# Allegro board LAY-95869_A.brd (continued)
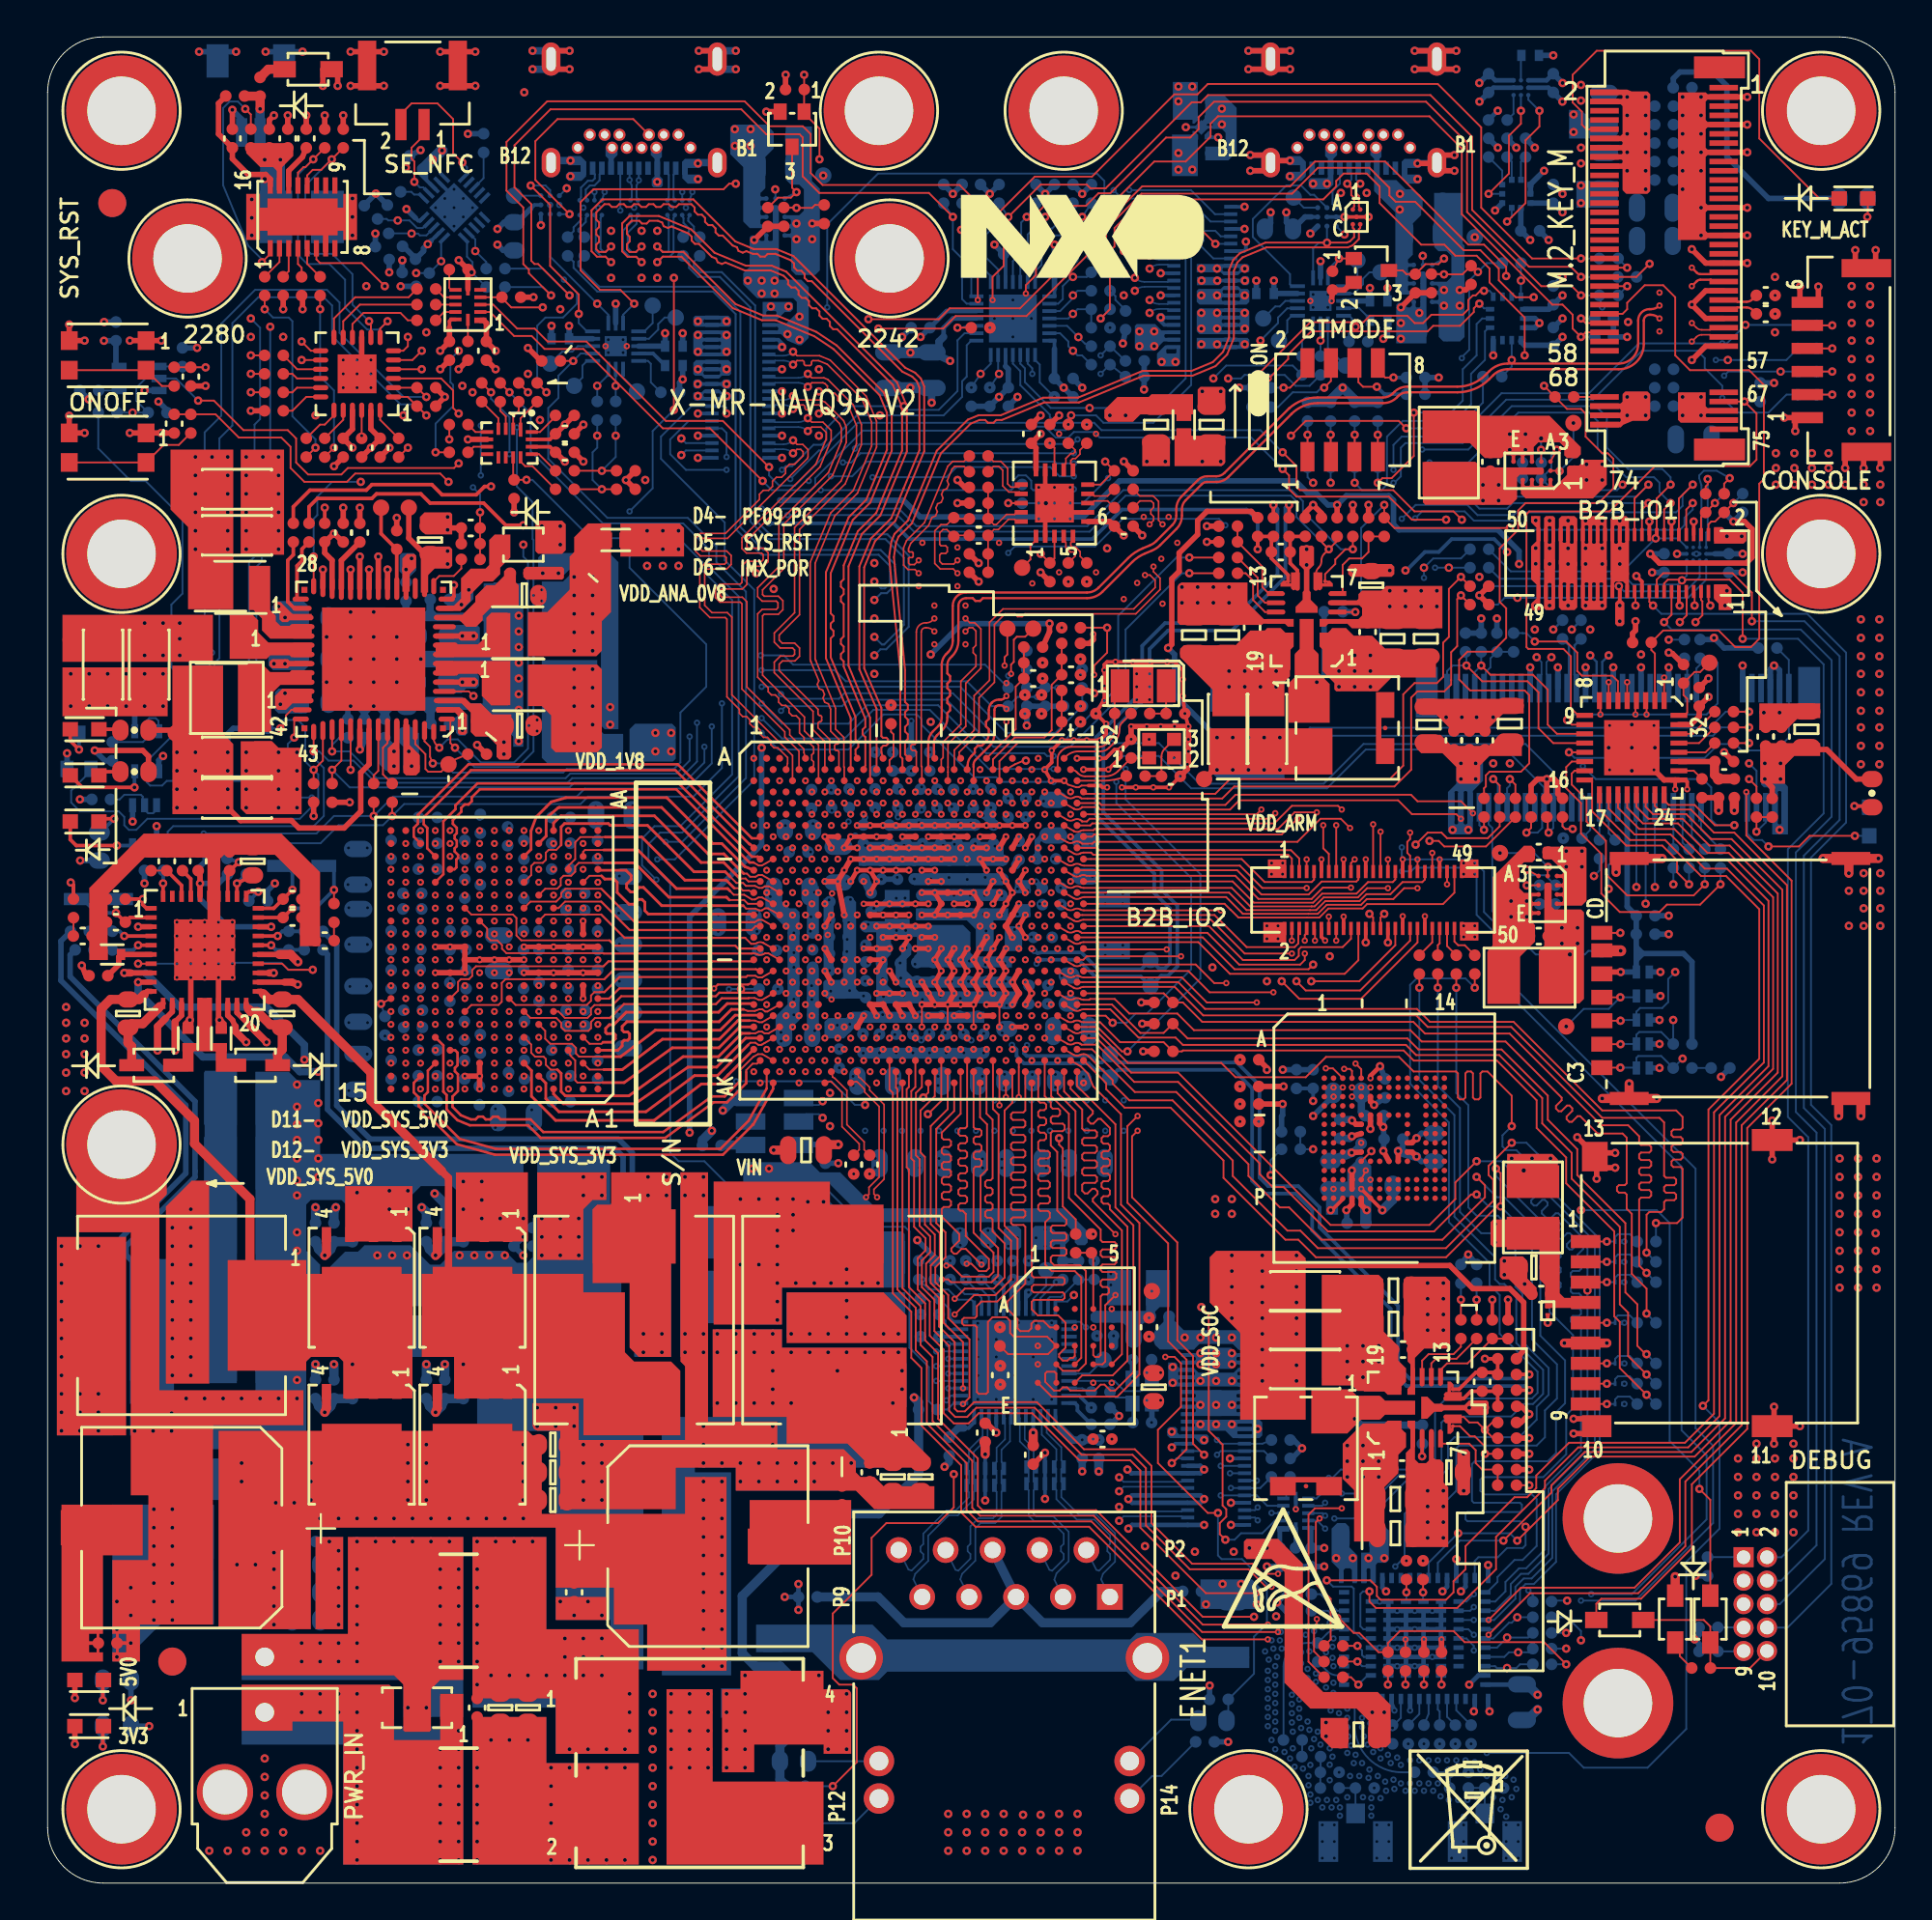
[diagram p0: board, top side]
## Footprints (pads in the part's own frame, mm; a bottom-side part is the same pattern mirrored in y, then rotated)
0603_CC
  rect 0.711x0.838 smd: 1(-0.65,0) 2(0.65,0)
0805_CC
  rect 0.94x1.346 smd: 1(-0.78,0) 2(0.78,0)
1206_CC
  rect 0.94x1.702 smd: 1(-1.4,0) 2(1.4,0)
BGA315_0P7_12P5X15P1MM
  round 0.381 smd: A1(-5.6,7) A2(-4.8,7) A3(-4,7) A4(-3.2,7) A5(-2.4,7) A6(-1.6,7) A7(-0.8,7) A8(0,7) A9(0.8,7) A10(1.6,7) A11(2.4,7) A12(3.2,7) A13(4,7) A14(4.8,7) A15(5.6,7) AA1(-5.6,-7) AA2(-4.8,-7) AA3(-4,-7) AA4(-3.2,-7) AA5(-2.4,-7) AA6(-1.6,-7) AA7(-0.8,-7) AA8(0,-7) AA9(0.8,-7) AA10(1.6,-7) AA11(2.4,-7) AA12(3.2,-7) AA13(4,-7) AA14(4.8,-7) AA15(5.6,-7) B1(-5.6,6.3) B2(-4.8,6.3) B3(-4,6.3) B4(-3.2,6.3) B5(-2.4,6.3) B6(-1.6,6.3) B7(-0.8,6.3) B8(0,6.3) B9(0.8,6.3) B10(1.6,6.3) B11(2.4,6.3) B12(3.2,6.3) B13(4,6.3) B14(4.8,6.3) B15(5.6,6.3) C1(-5.6,5.6) C2(-4.8,5.6) C3(-4,5.6) C4(-3.2,5.6) C5(-2.4,5.6) C6(-1.6,5.6) C7(-0.8,5.6) C8(0,5.6) C9(0.8,5.6) C10(1.6,5.6) C11(2.4,5.6) C12(3.2,5.6) C13(4,5.6) C14(4.8,5.6) C15(5.6,5.6) D1(-5.6,4.9) D2(-4.8,4.9) D3(-4,4.9) D4(-3.2,4.9) D5(-2.4,4.9) D6(-1.6,4.9) D7(-0.8,4.9) D8(0,4.9) D9(0.8,4.9) D10(1.6,4.9) D11(2.4,4.9) D12(3.2,4.9) D13(4,4.9) D14(4.8,4.9) D15(5.6,4.9) E1(-5.6,4.2) E2(-4.8,4.2) E3(-4,4.2) E4(-3.2,4.2) E5(-2.4,4.2) E6(-1.6,4.2) E7(-0.8,4.2) E8(0,4.2) E9(0.8,4.2) E10(1.6,4.2) E11(2.4,4.2) E12(3.2,4.2) E13(4,4.2) E14(4.8,4.2) E15(5.6,4.2) F1(-5.6,3.5) F2(-4.8,3.5) F3(-4,3.5) F4(-3.2,3.5) F5(-2.4,3.5) F6(-1.6,3.5) F7(-0.8,3.5) F8(0,3.5) F9(0.8,3.5) F10(1.6,3.5) F11(2.4,3.5) F12(3.2,3.5) F13(4,3.5) F14(4.8,3.5) F15(5.6,3.5) G1(-5.6,2.8) G2(-4.8,2.8) G3(-4,2.8) G4(-3.2,2.8) G5(-2.4,2.8) G6(-1.6,2.8) G7(-0.8,2.8) G8(0,2.8) G9(0.8,2.8) G10(1.6,2.8) G11(2.4,2.8) G12(3.2,2.8) G13(4,2.8) G14(4.8,2.8) G15(5.6,2.8) H1(-5.6,2.1) H2(-4.8,2.1) H3(-4,2.1) H4(-3.2,2.1) H5(-2.4,2.1) H6(-1.6,2.1) H7(-0.8,2.1) H8(0,2.1) H9(0.8,2.1) H10(1.6,2.1) H11(2.4,2.1) H12(3.2,2.1) H13(4,2.1) H14(4.8,2.1) H15(5.6,2.1) J1(-5.6,1.4) J2(-4.8,1.4) J3(-4,1.4) J4(-3.2,1.4) J5(-2.4,1.4) J6(-1.6,1.4) J7(-0.8,1.4) J8(0,1.4) J9(0.8,1.4) J10(1.6,1.4) J11(2.4,1.4) J12(3.2,1.4) J13(4,1.4) J14(4.8,1.4) J15(5.6,1.4) K1(-5.6,0.7) K2(-4.8,0.7) K3(-4,0.7) K4(-3.2,0.7) K5(-2.4,0.7) K6(-1.6,0.7) K7(-0.8,0.7) K8(0,0.7) K9(0.8,0.7) K10(1.6,0.7) K11(2.4,0.7) K12(3.2,0.7) K13(4,0.7) K14(4.8,0.7) K15(5.6,0.7) L1(-5.6,0) L2(-4.8,0) L3(-4,0) L4(-3.2,0) L5(-2.4,0) L6(-1.6,0) L7(-0.8,0) L8(0,0) L9(0.8,0) L10(1.6,0) L11(2.4,0) L12(3.2,0) L13(4,0) L14(4.8,0) L15(5.6,0) M1(-5.6,-0.7) M2(-4.8,-0.7) M3(-4,-0.7) M4(-3.2,-0.7) M5(-2.4,-0.7) M6(-1.6,-0.7) M7(-0.8,-0.7) M8(0,-0.7) M9(0.8,-0.7) M10(1.6,-0.7) M11(2.4,-0.7) M12(3.2,-0.7) M13(4,-0.7) M14(4.8,-0.7) M15(5.6,-0.7) N1(-5.6,-1.4) N2(-4.8,-1.4) N3(-4,-1.4) N4(-3.2,-1.4) N5(-2.4,-1.4) N6(-1.6,-1.4) N7(-0.8,-1.4) N8(0,-1.4) N9(0.8,-1.4) N10(1.6,-1.4) N11(2.4,-1.4) N12(3.2,-1.4) N13(4,-1.4) N14(4.8,-1.4) N15(5.6,-1.4) P1(-5.6,-2.1) P2(-4.8,-2.1) P3(-4,-2.1) P4(-3.2,-2.1) P5(-2.4,-2.1) P6(-1.6,-2.1) P7(-0.8,-2.1) P8(0,-2.1) P9(0.8,-2.1) P10(1.6,-2.1) P11(2.4,-2.1) P12(3.2,-2.1) P13(4,-2.1) P14(4.8,-2.1) P15(5.6,-2.1) R1(-5.6,-2.8) R2(-4.8,-2.8) R3(-4,-2.8) R4(-3.2,-2.8) R5(-2.4,-2.8) R6(-1.6,-2.8) R7(-0.8,-2.8) R8(0,-2.8) R9(0.8,-2.8) R10(1.6,-2.8) R11(2.4,-2.8) R12(3.2,-2.8) R13(4,-2.8) R14(4.8,-2.8) R15(5.6,-2.8) T1(-5.6,-3.5) T2(-4.8,-3.5) T3(-4,-3.5) T4(-3.2,-3.5) T5(-2.4,-3.5) T6(-1.6,-3.5) T7(-0.8,-3.5) T8(0,-3.5) T9(0.8,-3.5) T10(1.6,-3.5) T11(2.4,-3.5) T12(3.2,-3.5) T13(4,-3.5) T14(4.8,-3.5) T15(5.6,-3.5) U1(-5.6,-4.2) U2(-4.8,-4.2) U3(-4,-4.2) U4(-3.2,-4.2) U5(-2.4,-4.2) U6(-1.6,-4.2) U7(-0.8,-4.2) U8(0,-4.2) U9(0.8,-4.2) U10(1.6,-4.2) U11(2.4,-4.2) U12(3.2,-4.2) U13(4,-4.2) U14(4.8,-4.2) U15(5.6,-4.2) V1(-5.6,-4.9) V2(-4.8,-4.9) V3(-4,-4.9) V4(-3.2,-4.9) V5(-2.4,-4.9) V6(-1.6,-4.9) V7(-0.8,-4.9) V8(0,-4.9) V9(0.8,-4.9) V10(1.6,-4.9) V11(2.4,-4.9) V12(3.2,-4.9) V13(4,-4.9) V14(4.8,-4.9) V15(5.6,-4.9) W1(-5.6,-5.6) W2(-4.8,-5.6) W3(-4,-5.6) W4(-3.2,-5.6) W5(-2.4,-5.6) W6(-1.6,-5.6) W7(-0.8,-5.6) W8(0,-5.6) W9(0.8,-5.6) W10(1.6,-5.6) W11(2.4,-5.6) W12(3.2,-5.6) W13(4,-5.6) W14(4.8,-5.6) W15(5.6,-5.6) Y1(-5.6,-6.3) Y2(-4.8,-6.3) Y3(-4,-6.3) Y4(-3.2,-6.3) Y5(-2.4,-6.3) Y6(-1.6,-6.3) Y7(-0.8,-6.3) Y8(0,-6.3) Y9(0.8,-6.3) Y10(1.6,-6.3) Y11(2.4,-6.3) Y12(3.2,-6.3) Y13(4,-6.3) Y14(4.8,-6.3) Y15(5.6,-6.3)
CC0402_25
  round 0.635 smd: 1(-0.508,0) 2(0.508,0)
CC0402_TOL0P2
  rect 0.457x0.61 smd: 1(-0.475,0) 2(0.475,0)
CC0603_OV
  oval 0.889x1.143 smd: 1(-0.762,0) 2(0.762,0)
CC0805_OV
  oval 0.889x1.524 smd: 1(-0.965,0) 2(0.965,0)
CC1206_OV
  oval 1.016x1.778 smd: 1(-1.524,0) 2(1.524,0)
CC1210
  rect 1.778x2.845 smd: 1(-1.397,0) 2(1.397,0)
CCE10_3X10_3_413H
  rect 4.394x1.905 smd: 1(-4.343,0) 2(4.343,0)
CON1X6_1P25_10P75X4P05_SM_RA
  rect 0.61x1.702 smd: 1(-3.125,2.25) 2(-1.875,2.25) 3(-0.625,2.25) 4(0.625,2.25) 5(1.875,2.25) 6(3.125,2.25)
  rect 0.991x2.692 smd: SH1(-4.975,-0.95) SH2(4.975,-0.95)
CON2_1MM_SM_RA_4P25X4
  rect 0.61x1.549 smd: 1(-0.5,2.425) 2(0.5,2.425)
  rect 1.194x1.803 smd: S1(-1.8,-1.45) S2(1.8,-1.45)
CON2X5_50_TH_RA
  rect 1.092x1.092 hole 0.737: 1(0,0)
  round 1.092 hole 0.737: 2(0,1.27) 3(1.27,0) 4(1.27,1.27) 5(2.54,0) 6(2.54,1.27) 7(3.81,0) 8(3.81,1.27) 9(5.08,0) 10(5.08,1.27)
CON9_SDCARD_1P1MM
  round 0 hole 0.991 unplated: (-4.95,-3.25) (3.05,-3.25)
  rect 0.711x1.6 smd: 1(2.25,7.25) 2(1.15,7.25) 3(0.05,7.25) 4(-1.05,7.25) 5(-2.15,7.25) 6(-3.25,7.25) 7(-4.35,7.25) 8(-5.45,7.25) 9(-6.55,7.25)
  rect 1.194x1.6 smd: 10(-7.75,6.65)
  rect 1.194x2.21 smd: 11(-7.75,-2.85) 12(7.75,-2.85)
  rect 1.6x1.397 smd: 13(6.85,6.75)
CON24_USB_TYPEC_RA_SMT_TH_2P2L
  round 0 hole 0.66 unplated: (-6.775,-0.7) (0.675,-0.7)
  rect 0.305x0.711 smd: A1(-5.8,1.11) A2(-5.3,1.11) A3(-4.8,1.11) A4(-4.3,1.11) A5(-3.8,1.11) A6(-3.3,1.11) A7(-2.8,1.11) A8(-2.3,1.11) A9(-1.8,1.11) A10(-1.3,1.11) A11(-0.8,1.11) A12(-0.3,1.11)
  round 0.66 hole 0.406: B1(0,0) B2(-0.65,-0.7) B3(-1.45,-0.7) B4(-1.85,0) B5(-2.25,-0.7) B6(-2.65,0) B7(-3.45,0) B8(-3.85,-0.7) B9(-4.25,0) B10(-4.65,-0.7) B11(-5.45,-0.7) B12(-6.1,0)
  oval 1.016x1.6 hole 0.508x1.118: SH1(-7.55,0.81) SH2(1.45,0.81)
  oval 1.016x1.803 hole 0.508x1.295: SH3(-7.55,-4.8) SH4(1.45,-4.8)
CON67_0P5_TYPE_M_22P1X6P05_RA
  rect 1.194x2.769 smd: (-10.35,3) (10.35,3)
  round 0 hole 1.092 unplated: (-10,-1.5)
  round 0 hole 1.6 unplated: (10,-1.5)
  rect 0.305x1.549 smd: 1(-9.25,3.225) 2(-9,-3.225) 3(-8.75,3.225) 4(-8.5,-3.225) 5(-8.25,3.225) 6(-8,-3.225) 7(-7.75,3.225) 8(-7.5,-3.225) 9(-7.25,3.225) 10(-7,-3.225) 11(-6.75,3.225) 12(-6.5,-3.225) 13(-6.25,3.225) 14(-6,-3.225) 15(-5.75,3.225) 16(-5.5,-3.225) 17(-5.25,3.225) 18(-5,-3.225) 19(-4.75,3.225) 20(-4.5,-3.225) 21(-4.25,3.225) 22(-4,-3.225) 23(-3.75,3.225) 24(-3.5,-3.225) 25(-3.25,3.225) 26(-3,-3.225) 27(-2.75,3.225) 28(-2.5,-3.225) 29(-2.25,3.225) 30(-2,-3.225) 31(-1.75,3.225) 32(-1.5,-3.225) 33(-1.25,3.225) 34(-1,-3.225) 35(-0.75,3.225) 36(-0.5,-3.225) 37(-0.25,3.225) 38(0,-3.225) 39(0.25,3.225) 40(0.5,-3.225) 41(0.75,3.225) 42(1,-3.225) 43(1.25,3.225) 44(1.5,-3.225) 45(1.75,3.225) 46(2,-3.225) 47(2.25,3.225) 48(2.5,-3.225) 49(2.75,3.225) 50(3,-3.225) 51(3.25,3.225) 52(3.5,-3.225) 53(3.75,3.225) 54(4,-3.225) 55(4.25,3.225) 56(4.5,-3.225) 57(4.75,3.225) 58(5,-3.225) 67(7.25,3.225) 68(7.5,-3.225) 69(7.75,3.225) 70(8,-3.225) 71(8.25,3.225) 72(8.5,-3.225) 73(8.75,3.225) 74(9,-3.225) 75(9.25,3.225)
CON75_PCIE_KEY_B_0P5_22X6_RA
  rect 1.194x2.743 smd: (-10.35,3) (10.35,3)
  round 0 hole 1.092 unplated: (-10,-1.5)
  round 0 hole 1.6 unplated: (10,-1.5)
  rect 0.305x1.549 smd: 1(-9.25,3.225) 2(-9,-3.225) 3(-8.75,3.225) 4(-8.5,-3.225) 5(-8.25,3.225) 6(-8,-3.225) 7(-7.75,3.225) 8(-7.5,-3.225) 9(-7.25,3.225) 10(-7,-3.225) 11(-6.75,3.225) 20(-4.5,-3.225) 21(-4.25,3.225) 22(-4,-3.225) 23(-3.75,3.225) 24(-3.5,-3.225) 25(-3.25,3.225) 26(-3,-3.225) 27(-2.75,3.225) 28(-2.5,-3.225) 29(-2.25,3.225) 30(-2,-3.225) 31(-1.75,3.225) 32(-1.5,-3.225) 33(-1.25,3.225) 34(-1,-3.225) 35(-0.75,3.225) 36(-0.5,-3.225) 37(-0.25,3.225) 38(0,-3.225) 39(0.25,3.225) 40(0.5,-3.225) 41(0.75,3.225) 42(1,-3.225) 43(1.25,3.225) 44(1.5,-3.225) 45(1.75,3.225) 46(2,-3.225) 47(2.25,3.225) 48(2.5,-3.225) 49(2.75,3.225) 50(3,-3.225) 51(3.25,3.225) 52(3.5,-3.225) 53(3.75,3.225) 54(4,-3.225) 55(4.25,3.225) 56(4.5,-3.225) 57(4.75,3.225) 58(5,-3.225) 59(5.25,3.225) 60(5.5,-3.225) 61(5.75,3.225) 62(6,-3.225) 63(6.25,3.225) 64(6.5,-3.225) 65(6.75,3.225) 66(7,-3.225) 67(7.25,3.225) 68(7.5,-3.225) 69(7.75,3.225) 70(8,-3.225) 71(8.25,3.225) 72(8.5,-3.225) 73(8.75,3.225) 74(9,-3.225) 75(9.25,3.225)
CON_1X2_1P25_5P8X4P1_SM_RA
  rect 0.61x1.702 smd: 1(-0.625,2.247) 2(0.625,2.247)
  rect 0.991x2.692 smd: S1(-2.455,-0.953) S2(2.455,-0.953)
CON_2X20_0P4_10P6X2P94_SMT
  rect 0.203x0.711 smd: 1(-3.8,1.54) 2(-3.8,-1.54) 3(-3.4,1.54) 4(-3.4,-1.54) 5(-3,1.54) 6(-3,-1.54) 7(-2.6,1.54) 8(-2.6,-1.54) 9(-2.2,1.54) 10(-2.2,-1.54) 11(-1.8,1.54) 12(-1.8,-1.54) 13(-1.4,1.54) 14(-1.4,-1.54) 15(-1,1.54) 16(-1,-1.54) 17(-0.6,1.54) 18(-0.6,-1.54) 19(-0.2,1.54) 20(-0.2,-1.54) 21(0.2,1.54) 22(0.2,-1.54) 23(0.6,1.54) 24(0.6,-1.54) 25(1,1.54) 26(1,-1.54) 27(1.4,1.54) 28(1.4,-1.54) 29(1.8,1.54) 30(1.8,-1.54) 31(2.2,1.54) 32(2.2,-1.54) 33(2.6,1.54) 34(2.6,-1.54) 35(3,1.54) 36(3,-1.54) 37(3.4,1.54) 38(3.4,-1.54) 39(3.8,1.54) 40(3.8,-1.54)
CON_2X25_0P4_12P6X2P94_SMT
  rect 0.203x0.711 smd: 1(-4.8,1.54) 2(-4.8,-1.54) 3(-4.4,1.54) 4(-4.4,-1.54) 5(-4,1.54) 6(-4,-1.54) 7(-3.6,1.54) 8(-3.6,-1.54) 9(-3.2,1.54) 10(-3.2,-1.54) 11(-2.8,1.54) 12(-2.8,-1.54) 13(-2.4,1.54) 14(-2.4,-1.54) 15(-2,1.54) 16(-2,-1.54) 17(-1.6,1.54) 18(-1.6,-1.54) 19(-1.2,1.54) 20(-1.2,-1.54) 21(-0.8,1.54) 22(-0.8,-1.54) 23(-0.4,1.54) 24(-0.4,-1.54) 25(0,1.54) 26(0,-1.54) 27(0.4,1.54) 28(0.4,-1.54) 29(0.8,1.54) 30(0.8,-1.54) 31(1.2,1.54) 32(1.2,-1.54) 33(1.6,1.54) 34(1.6,-1.54) 35(2,1.54) 36(2,-1.54) 37(2.4,1.54) 38(2.4,-1.54) 39(2.8,1.54) 40(2.8,-1.54) 41(3.2,1.54) 42(3.2,-1.54) 43(3.6,1.54) 44(3.6,-1.54) 45(4,1.54) 46(4,-1.54) 47(4.4,1.54) 48(4.4,-1.54) 49(4.8,1.54) 50(4.8,-1.54)
CON_3_UFL_R_SMT
  rect 1.016x1.067 smd: 1(0,1.524)
  rect 1.067x2.21 smd: 2(-1.476,0) 3(1.476,0)
CON_NANOSIM_7F_1P27_SM_RA
  round 0 hole 0.762 unplated: (-5,-4.86) (3.5,-4.86)
  rect 0.813x1.143 smd: C1(0.25,7.37) C2(-2.29,7.37) C3(-4.83,7.37) C6(-1.02,7.37) C7(-3.56,7.37)
  rect 0.762x1.143 smd: C5(1.52,7.37) CD(2.47,7.37)
  rect 0.711x2.108 smd: G1(-6.5,5.89) G2(6.5,5.89) G3(-6.5,-6.11) G4(6.5,-6.11)
CON_RJ45_14F_50_TH_RA_A
  round 0 hole 3.251 unplated: (-11.43,-6.35) (0,-6.35)
  rect 1.397x1.397 hole 0.889: P1(0,0)
  round 1.397 hole 0.889: P2(-1.27,2.54) P3(-2.54,0) P4(-3.81,2.54) P5(-5.08,0) P6(-6.35,2.54) P7(-7.62,0) P8(-8.89,2.54) P9(-10.16,0) P10(-11.43,2.54)
  round 1.651 hole 1.016: P11(-12.5,-8.89) P12(-12.5,-10.92) P13(1.07,-8.89) P14(1.07,-10.92)
  round 2.362 hole 1.6: SH1(-13.465,-3.3) SH2(2.035,-3.3)
DSN0603-2
  rect 0.152x0.254 smd: 1(-0.2,0) 2(0.2,0)
FBGA153_0P5_11P5X13_C012
  round 0.305 smd: A1(-3.25,3.25) A2(-2.75,3.25) A3(-2.25,3.25) A4(-1.75,3.25) A5(-1.25,3.25) A6(-0.75,3.25) A7(-0.25,3.25) A8(0.25,3.25) A9(0.75,3.25) A10(1.25,3.25) A11(1.75,3.25) A12(2.25,3.25) A13(2.75,3.25) A14(3.25,3.25) B1(-3.25,2.75) B2(-2.75,2.75) B3(-2.25,2.75) B4(-1.75,2.75) B5(-1.25,2.75) B6(-0.75,2.75) B7(-0.25,2.75) B8(0.25,2.75) B9(0.75,2.75) B10(1.25,2.75) B11(1.75,2.75) B12(2.25,2.75) B13(2.75,2.75) B14(3.25,2.75) C1(-3.25,2.25) C2(-2.75,2.25) C3(-2.25,2.25) C4(-1.75,2.25) C5(-1.25,2.25) C6(-0.75,2.25) C7(-0.25,2.25) C8(0.25,2.25) C9(0.75,2.25) C10(1.25,2.25) C11(1.75,2.25) C12(2.25,2.25) C13(2.75,2.25) C14(3.25,2.25) D1(-3.25,1.75) D2(-2.75,1.75) D3(-2.25,1.75) D4(-1.75,1.75) D12(2.25,1.75) D13(2.75,1.75) D14(3.25,1.75) E1(-3.25,1.25) E2(-2.75,1.25) E3(-2.25,1.25) E5(-1.25,1.25) E6(-0.75,1.25) E7(-0.25,1.25) E8(0.25,1.25) E9(0.75,1.25) E10(1.25,1.25) E12(2.25,1.25) E13(2.75,1.25) E14(3.25,1.25) F1(-3.25,0.75) F2(-2.75,0.75) F3(-2.25,0.75) F5(-1.25,0.75) F10(1.25,0.75) F12(2.25,0.75) F13(2.75,0.75) F14(3.25,0.75) G1(-3.25,0.25) G2(-2.75,0.25) G3(-2.25,0.25) G5(-1.25,0.25) G10(1.25,0.25) G12(2.25,0.25) G13(2.75,0.25) G14(3.25,0.25) H1(-3.25,-0.25) H2(-2.75,-0.25) H3(-2.25,-0.25) H5(-1.25,-0.25) H10(1.25,-0.25) H12(2.25,-0.25) H13(2.75,-0.25) H14(3.25,-0.25) J1(-3.25,-0.75) J2(-2.75,-0.75) J3(-2.25,-0.75) J5(-1.25,-0.75) J10(1.25,-0.75) J12(2.25,-0.75) J13(2.75,-0.75) J14(3.25,-0.75) K1(-3.25,-1.25) K2(-2.75,-1.25) K3(-2.25,-1.25) K5(-1.25,-1.25) K6(-0.75,-1.25) K7(-0.25,-1.25) K8(0.25,-1.25) K9(0.75,-1.25) K10(1.25,-1.25) K12(2.25,-1.25) K13(2.75,-1.25) K14(3.25,-1.25) L1(-3.25,-1.75) L2(-2.75,-1.75) L3(-2.25,-1.75) L12(2.25,-1.75) L13(2.75,-1.75) L14(3.25,-1.75) M1(-3.25,-2.25) M2(-2.75,-2.25) M3(-2.25,-2.25) M4(-1.75,-2.25) M5(-1.25,-2.25) M6(-0.75,-2.25) M7(-0.25,-2.25) M8(0.25,-2.25) M9(0.75,-2.25) M10(1.25,-2.25) M11(1.75,-2.25) M12(2.25,-2.25) M13(2.75,-2.25) M14(3.25,-2.25) N1(-3.25,-2.75) N2(-2.75,-2.75) N3(-2.25,-2.75) N4(-1.75,-2.75) N5(-1.25,-2.75) N6(-0.75,-2.75) N7(-0.25,-2.75) N8(0.25,-2.75) N9(0.75,-2.75) N10(1.25,-2.75) N11(1.75,-2.75) N12(2.25,-2.75) N13(2.75,-2.75) N14(3.25,-2.75) P1(-3.25,-3.25) P2(-2.75,-3.25) P3(-2.25,-3.25) P4(-1.75,-3.25) P5(-1.25,-3.25) P6(-0.75,-3.25) P7(-0.25,-3.25) P8(0.25,-3.25) P9(0.75,-3.25) P10(1.25,-3.25) P11(1.75,-3.25) P12(2.25,-3.25) P13(2.75,-3.25) P14(3.25,-3.25)
FLTR4_1206_SM
  rect 1.194x1.295 smd: 1(-1.85,0) 3(1.85,0)
  rect 1.397x0.914 smd: 2(0,-0.85) 4(0,0.85)
HDR_1X2_3MM_RA_TH
  rect 1.651x1.651 hole 1.016: 1(0,0)
  round 1.651 hole 1.016: 2(0,3)
  round 3.048 hole 2.413: S1(-2.15,-4.32) S2(2.15,-4.32)
HX2QFN16_0P4_2P7X2P7
  rect 0.813x0.203 smd: 1(-1.25,0.8) 2(-1.25,0.4) 3(-1.25,0) 4(-1.25,-0.4) 5(-1.25,-0.8) 9(1.25,-0.8) 10(1.25,-0.4) 11(1.25,0) 12(1.25,0.4) 13(1.25,0.8)
  rect 0.203x0.813 smd: 6(-0.4,-1.25) 7(0,-1.25) 8(0.4,-1.25) 14(0.4,1.25) 15(0,1.25) 16(-0.4,1.25)
  rect 1.194x1.092 smd: 17(0,0)
IND2_10P9X10P4
  rect 2.946x4.496 smd: 1(-4.525,0) 2(4.525,0)
IND3_2P5_SQ5P2MM
  rect 0.991x1.397 smd: 1(-2.35,1.25) 2(-2.35,-1.25)
  custom 0.25x0.25 smd: 3(2.05,0)
IND2220_152H
  rect 3.06x6.1 smd: 1(-3.06,0) 2(3.06,0)
IND2520
  rect 0.914x2.21 smd: 1(-1.05,0) 2(1.05,0)
IND_3P2X3P5MM_SM
  rect 0.991x3.505 smd: 1(-1.3,0) 2(1.3,0)
IND_0402
  round 0.635 smd: 1(-0.508,0) 2(0.508,0)
IND_0603
  rect 0.991x0.813 smd: 1(-0.69,0) 2(0.69,0)
IND_0806_SM
  rect 1.295x1.905 smd: 1(-1.05,0) 2(1.05,0)
IND_ACM12V
  rect 3.302x2.692 smd: 1(-5.35,2.6) 2(-5.35,-2.6) 3(5.35,-2.6) 4(5.35,2.6)
LED_0603
  rect 0.838x0.787 smd: A(-0.775,0) C(0.775,0)
LGA10_0P5_2X2
  rect 0.305x0.33 smd: 1(0.25,0.762) 2(-0.25,0.762) 6(-0.25,-0.762) 7(0.25,-0.762)
  rect 0.33x0.305 smd: 3(-0.762,0.5) 4(-0.762,0) 5(-0.762,-0.5) 8(0.762,-0.5) 9(0.762,0) 10(0.762,0.5)
LGA14_0P5_3X2P5
  rect 0.457x0.254 smd: 1(-1.175,0.75) 2(-1.175,0.25) 3(-1.175,-0.25) 4(-1.175,-0.75) 8(1.175,-0.75) 9(1.175,-0.25) 10(1.175,0.25) 11(1.175,0.75)
  rect 0.254x0.457 smd: 5(-0.5,-0.925) 6(0,-0.925) 7(0.5,-0.925) 12(0.5,0.925) 13(0,0.925) 14(-0.5,0.925)
MH236-146P
  round 5.994 hole 3.708: 1(0,0)
MODULE107_9P0X7P9MM
  rect 0.254x0.559 smd: 1(-3.975,-3.275) 2(-3.25,-3.275) 3(-2.75,-3.275) 4(-2.25,-3.275) 5(-1.75,-3.275) 6(-1.25,-3.275) 7(-0.75,-3.275) 8(-0.25,-3.275) 9(0.25,-3.275) 10(0.75,-3.275) 11(1.25,-3.275) 12(1.75,-3.275) 13(2.25,-3.275) 14(2.75,-3.275) 15(3.25,-3.275) 16(3.975,-3.275) 28(3.975,3.275) 29(3.25,3.275) 30(2.75,3.275) 31(2.25,3.275) 32(1.75,3.275) 33(1.25,3.275) 34(0.75,3.275) 35(0.25,3.275) 36(-0.25,3.275) 37(-0.75,3.275) 38(-1.25,3.275) 39(-1.75,3.275) 40(-2.25,3.275) 41(-2.75,3.275) 42(-3.25,3.275) 43(-3.975,3.275)
  rect 0.559x0.254 smd: 17(3.825,-2.5) 18(3.825,-2) 19(3.825,-1.5) 20(3.825,-1) 21(3.825,-0.5) 22(3.825,0) 23(3.825,0.5) 24(3.825,1) 25(3.825,1.5) 26(3.825,2) 27(3.825,2.5) 44(-3.825,2.5) 45(-3.825,2) 46(-3.825,1.5) 47(-3.825,1) 48(-3.825,0.5) 49(-3.825,0) 50(-3.825,-0.5) 51(-3.825,-1) 52(-3.825,-1.5) 53(-3.825,-2) 54(-3.825,-2.5) 55(-1.425,-2) 56(-0.475,-2) 57(0.475,-2) 58(1.425,-2) 59(2.375,-2) 60(2.375,-1.5) 61(2.375,-1) 62(2.375,-0.5) 63(2.375,0) 64(2.375,0.5) 65(2.375,1) 66(2.375,1.5) 67(2.375,2) 68(1.425,2) 69(0.475,2) 70(-0.475,2) 71(-1.425,2) 72(-2.375,2) 73(-2.375,1.5) 74(-2.375,1) 75(-2.375,0.5) 76(-2.375,0) 77(-2.375,-0.5) 78(-2.375,-1) 79(-2.375,-1.5) 80(-1.425,-1.5) 81(-0.475,-1.5) 82(0.475,-1.5) 83(1.425,-1.5) 84(1.425,-1) 85(1.425,-0.5) 86(1.425,0) 87(1.425,0.5) 88(1.425,1) 89(1.425,1.5) 90(0.475,1.5) 91(-0.475,1.5) 92(-1.425,1.5) 93(-1.425,1) 94(-1.425,0.5) 95(-1.425,0) 96(-1.425,-0.5) 97(-1.425,-1) 98(-0.475,-1) 99(0.475,-1) 100(0.475,-0.5) 101(0.475,0) 102(0.475,0.5) 103(0.475,1) 104(-0.475,1) 105(-0.475,0.5) 106(-0.475,0) 107(-0.475,-0.5)
OSC6_1P27_5P2X3P4
  rect 1.6x0.889 smd: 1(-1.3,1.27) 2(-1.3,0) 3(-1.3,-1.27) 4(1.3,-1.27) 5(1.3,0) 6(1.3,1.27)
PBGA24_1_6X8MM
  round 0.33 smd: A2(-1,2) A3(0,2) A4(1,2) A5(2,2) B1(-2,1) B2(-1,1) B3(0,1) B4(1,1) B5(2,1) C1(-2,0) C2(-1,0) C3(0,0) C4(1,0) C5(2,0) D1(-2,-1) D2(-1,-1) D3(0,-1) D4(1,-1) D5(2,-1) E1(-2,-2) E2(-1,-2) E3(0,-2) E4(1,-2) E5(2,-2)
PBGA716_0P7_19X19MM
  round 0.381 smd: A1(-8.925,8.79) A3(-8.225,8.79) A5(-7.525,8.79) A9(-6.125,8.79) A13(-4.725,8.79) A17(-3.325,8.79) A21(-1.925,8.79) A25(-0.525,8.79) A29(0.875,8.79) A33(2.275,8.79) A37(3.675,8.79) A41(5.075,8.79) A45(6.475,8.79) A49(7.875,8.79) A51(8.575,8.79) AA1(-8.925,-3.334) AA3(-8.225,-3.334) AA5(-7.525,-3.334) AA7(-6.825,-3.334) AA9(-6.125,-3.334) AA11(-5.425,-3.334) AA13(-4.725,-3.334) AA15(-4.025,-3.334) AA17(-3.325,-3.334) AA19(-2.625,-3.334) AA21(-1.925,-3.334) AA23(-1.225,-3.334) AA25(-0.525,-3.334) AA27(0.175,-3.334) AA29(0.875,-3.334) AA31(1.575,-3.334) AA33(2.275,-3.334) AA35(2.975,-3.334) AA37(3.675,-3.334) AA39(4.375,-3.334) AA41(5.075,-3.334) AA43(5.775,-3.334) AA45(6.475,-3.334) AA47(7.175,-3.334) AA49(7.875,-3.334) AA51(8.575,-3.334) AB2(-8.575,-3.94) AB4(-7.875,-3.94) AB6(-7.175,-3.94) AB8(-6.475,-3.94) AB10(-5.775,-3.94) AB12(-5.075,-3.94) AB20(-2.275,-3.94) AB22(-1.575,-3.94) AB24(-0.875,-3.94) AB26(-0.175,-3.94) AB28(0.525,-3.94) AB30(1.225,-3.94) AB32(1.925,-3.94) AB34(2.625,-3.94) AB36(3.325,-3.94) AB38(4.025,-3.94) AB40(4.725,-3.94) AB42(5.425,-3.94) AB44(6.125,-3.94) AB46(6.825,-3.94) AB48(7.525,-3.94) AB50(8.225,-3.94) AB52(8.925,-3.94) AC1(-8.925,-4.546) AC3(-8.225,-4.546) AC5(-7.525,-4.546) AC7(-6.825,-4.546) AC9(-6.125,-4.546) AC11(-5.425,-4.546) AC19(-2.625,-4.546) AC21(-1.925,-4.546) AC23(-1.225,-4.546) AC25(-0.525,-4.546) AC27(0.175,-4.546) AC29(0.875,-4.546) AC31(1.575,-4.546) AC33(2.275,-4.546) AC35(2.975,-4.546) AC37(3.675,-4.546) AC39(4.375,-4.546) AC41(5.075,-4.546) AC43(5.775,-4.546) AC45(6.475,-4.546) AC47(7.175,-4.546) AC49(7.875,-4.546) AC51(8.575,-4.546) AD2(-8.575,-5.153) AD4(-7.875,-5.153) AD6(-7.175,-5.153) AD8(-6.475,-5.153) AD10(-5.775,-5.153) AD12(-5.075,-5.153) AD14(-4.375,-5.153) AD16(-3.675,-5.153) AD18(-2.975,-5.153) AD20(-2.275,-5.153) AD22(-1.575,-5.153) AD24(-0.875,-5.153) AD26(-0.175,-5.153) AD28(0.525,-5.153) AD30(1.225,-5.153) AD32(1.925,-5.153) AD34(2.625,-5.153) AD36(3.325,-5.153) AD38(4.025,-5.153) AD40(4.725,-5.153) AD42(5.425,-5.153) AD44(6.125,-5.153) AD46(6.825,-5.153) AD48(7.525,-5.153) AD50(8.225,-5.153) AD52(8.925,-5.153) AE1(-8.925,-5.759) AE3(-8.225,-5.759) AE5(-7.525,-5.759) AE7(-6.825,-5.759) AE9(-6.125,-5.759) AE11(-5.425,-5.759) AE13(-4.725,-5.759) AE15(-4.025,-5.759) AE17(-3.325,-5.759) AE19(-2.625,-5.759) AE21(-1.925,-5.759) AE23(-1.225,-5.759) AE25(-0.525,-5.759) AE27(0.175,-5.759) AE29(0.875,-5.759) AE31(1.575,-5.759) AE33(2.275,-5.759) AE35(2.975,-5.759) AE37(3.675,-5.759) AE39(4.375,-5.759) AE41(5.075,-5.759) AE43(5.775,-5.759) AE45(6.475,-5.759) AE47(7.175,-5.759) AE49(7.875,-5.759) AE51(8.575,-5.759) AF2(-8.575,-6.365) AF4(-7.875,-6.365) AF6(-7.175,-6.365) AF8(-6.475,-6.365) AF10(-5.775,-6.365) AF12(-5.075,-6.365) AF14(-4.375,-6.365) AF16(-3.675,-6.365) AF18(-2.975,-6.365) AF20(-2.275,-6.365) AF22(-1.575,-6.365) AF24(-0.875,-6.365) AF26(-0.175,-6.365) AF28(0.525,-6.365) AF30(1.225,-6.365) AF32(1.925,-6.365) AF34(2.625,-6.365) AF36(3.325,-6.365) AF38(4.025,-6.365) AF40(4.725,-6.365) AF42(5.425,-6.365) AF44(6.125,-6.365) AF46(6.825,-6.365) AF48(7.525,-6.365) AF50(8.225,-6.365) AF52(8.925,-6.365) AG1(-8.925,-6.971) AG3(-8.225,-6.971) AG5(-7.525,-6.971) AG7(-6.825,-6.971) AG9(-6.125,-6.971) AG11(-5.425,-6.971) AG13(-4.725,-6.971) AG15(-4.025,-6.971) AG17(-3.325,-6.971) AG19(-2.625,-6.971) AG21(-1.925,-6.971) AG23(-1.225,-6.971) AG25(-0.525,-6.971) AG27(0.175,-6.971) AG29(0.875,-6.971) AG31(1.575,-6.971) AG33(2.275,-6.971) AG35(2.975,-6.971) AG37(3.675,-6.971) AG39(4.375,-6.971) AG41(5.075,-6.971) AG43(5.775,-6.971) AG45(6.475,-6.971) AG47(7.175,-6.971) AG49(7.875,-6.971) AG51(8.575,-6.971) AH2(-8.575,-7.577) AH4(-7.875,-7.577) AH6(-7.175,-7.577) AH8(-6.475,-7.577) AH10(-5.775,-7.577) AH12(-5.075,-7.577) AH14(-4.375,-7.577) AH16(-3.675,-7.577) AH18(-2.975,-7.577) AH20(-2.275,-7.577) AH22(-1.575,-7.577) AH24(-0.875,-7.577) AH26(-0.175,-7.577) AH28(0.525,-7.577) AH30(1.225,-7.577) AH32(1.925,-7.577) AH34(2.625,-7.577) AH36(3.325,-7.577) AH38(4.025,-7.577) AH40(4.725,-7.577) AH42(5.425,-7.577) AH44(6.125,-7.577) AH46(6.825,-7.577) AH48(7.525,-7.577) AH50(8.225,-7.577) AH52(8.925,-7.577) AJ1(-8.925,-8.184) AJ3(-8.225,-8.184) AJ5(-7.525,-8.184) AJ7(-6.825,-8.184) AJ9(-6.125,-8.184) AJ11(-5.425,-8.184) AJ13(-4.725,-8.184) AJ15(-4.025,-8.184) AJ17(-3.325,-8.184) AJ19(-2.625,-8.184) AJ21(-1.925,-8.184) AJ23(-1.225,-8.184) AJ25(-0.525,-8.184) AJ27(0.175,-8.184) AJ29(0.875,-8.184) AJ31(1.575,-8.184) AJ33(2.275,-8.184) AJ35(2.975,-8.184) AJ37(3.675,-8.184) AJ39(4.375,-8.184) AJ41(5.075,-8.184) AJ43(5.775,-8.184) AJ45(6.475,-8.184) AJ47(7.175,-8.184) AJ49(7.875,-8.184) AJ51(8.575,-8.184) AK2(-8.575,-8.79) AK4(-7.875,-8.79) AK8(-6.475,-8.79) AK12(-5.075,-8.79) AK16(-3.675,-8.79) AK20(-2.275,-8.79) AK24(-0.875,-8.79) AK28(0.525,-8.79) AK32(1.925,-8.79) AK36(3.325,-8.79) AK40(4.725,-8.79) AK44(6.125,-8.79) AK48(7.525,-8.79) AK50(8.225,-8.79) AK52(8.925,-8.79) B2(-8.575,8.184) B4(-7.875,8.184) B6(-7.175,8.184) B8(-6.475,8.184) B10(-5.775,8.184) B12(-5.075,8.184) B14(-4.375,8.184) B16(-3.675,8.184) B18(-2.975,8.184) B20(-2.275,8.184) B22(-1.575,8.184) B24(-0.875,8.184) B26(-0.175,8.184) B28(0.525,8.184) B30(1.225,8.184) B32(1.925,8.184) B34(2.625,8.184) B36(3.325,8.184) B38(4.025,8.184) B40(4.725,8.184) B42(5.425,8.184) B44(6.125,8.184) B46(6.825,8.184) B48(7.525,8.184) B50(8.225,8.184) B52(8.925,8.184) C1(-8.925,7.577) C3(-8.225,7.577) C5(-7.525,7.577) C7(-6.825,7.577) C9(-6.125,7.577) C11(-5.425,7.577) C13(-4.725,7.577) C15(-4.025,7.577) C17(-3.325,7.577) C19(-2.625,7.577) C21(-1.925,7.577) C23(-1.225,7.577) C25(-0.525,7.577) C27(0.175,7.577) C29(0.875,7.577) C31(1.575,7.577) C33(2.275,7.577) C35(2.975,7.577) C37(3.675,7.577) C39(4.375,7.577) C41(5.075,7.577) C43(5.775,7.577) C45(6.475,7.577) C47(7.175,7.577) C49(7.875,7.577) C51(8.575,7.577) D2(-8.575,6.971) D4(-7.875,6.971) D6(-7.175,6.971) D8(-6.475,6.971) D10(-5.775,6.971) D12(-5.075,6.971) D14(-4.375,6.971) D16(-3.675,6.971) D18(-2.975,6.971) D20(-2.275,6.971) D22(-1.575,6.971) D24(-0.875,6.971) D26(-0.175,6.971) D28(0.525,6.971) D30(1.225,6.971) D32(1.925,6.971) D34(2.625,6.971) D36(3.325,6.971) D38(4.025,6.971) D40(4.725,6.971) D42(5.425,6.971) D44(6.125,6.971) D46(6.825,6.971) D48(7.525,6.971) D50(8.225,6.971) D52(8.925,6.971) E1(-8.925,6.365) E3(-8.225,6.365) E5(-7.525,6.365) E7(-6.825,6.365) E9(-6.125,6.365) E11(-5.425,6.365) E13(-4.725,6.365) E15(-4.025,6.365) E17(-3.325,6.365) E19(-2.625,6.365) E21(-1.925,6.365) E23(-1.225,6.365) E25(-0.525,6.365) E27(0.175,6.365) E29(0.875,6.365) E31(1.575,6.365) E33(2.275,6.365) E35(2.975,6.365) E37(3.675,6.365) E39(4.375,6.365) E41(5.075,6.365) E43(5.775,6.365) E45(6.475,6.365) E47(7.175,6.365) E49(7.875,6.365) E51(8.575,6.365) F2(-8.575,5.759) F4(-7.875,5.759) F6(-7.175,5.759) F8(-6.475,5.759) F10(-5.775,5.759) F12(-5.075,5.759) F14(-4.375,5.759) F16(-3.675,5.759) F18(-2.975,5.759) F20(-2.275,5.759) F22(-1.575,5.759) F24(-0.875,5.759) F26(-0.175,5.759) F28(0.525,5.759) F30(1.225,5.759) F32(1.925,5.759) F34(2.625,5.759) F36(3.325,5.759) F38(4.025,5.759) F40(4.725,5.759) F42(5.425,5.759) F44(6.125,5.759) F46(6.825,5.759) F48(7.525,5.759) F50(8.225,5.759) F52(8.925,5.759) G1(-8.925,5.153) G3(-8.225,5.153) G5(-7.525,5.153) G7(-6.825,5.153) G9(-6.125,5.153) G11(-5.425,5.153) G13(-4.725,5.153) G15(-4.025,5.153) G17(-3.325,5.153) G19(-2.625,5.153) G21(-1.925,5.153) G23(-1.225,5.153) G25(-0.525,5.153) G27(0.175,5.153) G29(0.875,5.153) G31(1.575,5.153) G33(2.275,5.153) G35(2.975,5.153) G37(3.675,5.153) G39(4.375,5.153) G41(5.075,5.153) G43(5.775,5.153) G45(6.475,5.153) G47(7.175,5.153) G49(7.875,5.153) G51(8.575,5.153) H2(-8.575,4.546) H4(-7.875,4.546) H6(-7.175,4.546) H8(-6.475,4.546) H10(-5.775,4.546) H12(-5.075,4.546) H14(-4.375,4.546) H16(-3.675,4.546) H18(-2.975,4.546) H20(-2.275,4.546) H22(-1.575,4.546) H24(-0.875,4.546) H26(-0.175,4.546) H28(0.525,4.546) H30(1.225,4.546) H32(1.925,4.546) H34(2.625,4.546) H36(3.325,4.546) H38(4.025,4.546) H40(4.725,4.546) H42(5.425,4.546) H44(6.125,4.546) H46(6.825,4.546) H48(7.525,4.546) H50(8.225,4.546) H52(8.925,4.546) J1(-8.925,3.94) J3(-8.225,3.94) J5(-7.525,3.94) J7(-6.825,3.94) J9(-6.125,3.94) J11(-5.425,3.94) J13(-4.725,3.94) J15(-4.025,3.94) J17(-3.325,3.94) J19(-2.625,3.94) J21(-1.925,3.94) J23(-1.225,3.94) J25(-0.525,3.94) J27(0.175,3.94) J29(0.875,3.94) J31(1.575,3.94) J33(2.275,3.94) J35(2.975,3.94) J37(3.675,3.94) J39(4.375,3.94) J41(5.075,3.94) J43(5.775,3.94) J45(6.475,3.94) J47(7.175,3.94) J49(7.875,3.94) J51(8.575,3.94) K2(-8.575,3.334) K4(-7.875,3.334) K6(-7.175,3.334) K8(-6.475,3.334) K10(-5.775,3.334) K12(-5.075,3.334) K14(-4.375,3.334) K16(-3.675,3.334) K18(-2.975,3.334) K20(-2.275,3.334) K22(-1.575,3.334) K24(-0.875,3.334) K26(-0.175,3.334) K28(0.525,3.334) K30(1.225,3.334) K32(1.925,3.334) K34(2.625,3.334) K36(3.325,3.334) K38(4.025,3.334) K40(4.725,3.334) K42(5.425,3.334) K44(6.125,3.334) K46(6.825,3.334) K48(7.525,3.334) K50(8.225,3.334) K52(8.925,3.334) L1(-8.925,2.728) L3(-8.225,2.728) L5(-7.525,2.728) L7(-6.825,2.728) L9(-6.125,2.728) L11(-5.425,2.728) L13(-4.725,2.728) L15(-4.025,2.728) L17(-3.325,2.728) L19(-2.625,2.728) L21(-1.925,2.728) L23(-1.225,2.728) L25(-0.525,2.728) L27(0.175,2.728) L29(0.875,2.728) L37(3.675,2.728) L39(4.375,2.728) L41(5.075,2.728) L43(5.775,2.728) L45(6.475,2.728) L47(7.175,2.728) L49(7.875,2.728) L51(8.575,2.728) M2(-8.575,2.122) M4(-7.875,2.122) M6(-7.175,2.122) M8(-6.475,2.122) M10(-5.775,2.122) M12(-5.075,2.122) M14(-4.375,2.122) M16(-3.675,2.122) M18(-2.975,2.122) M20(-2.275,2.122) M28(0.525,2.122) M30(1.225,2.122) M38(4.025,2.122) M40(4.725,2.122) M42(5.425,2.122) M44(6.125,2.122) M46(6.825,2.122) M48(7.525,2.122) M50(8.225,2.122) M52(8.925,2.122) N1(-8.925,1.516) N3(-8.225,1.516) N5(-7.525,1.516) N7(-6.825,1.516) N9(-6.125,1.516) N11(-5.425,1.516) N19(-2.625,1.516) N27(0.175,1.516) N29(0.875,1.516) N31(1.575,1.516) N33(2.275,1.516) N35(2.975,1.516) N37(3.675,1.516) N39(4.375,1.516) N41(5.075,1.516) N43(5.775,1.516) N45(6.475,1.516) N47(7.175,1.516) N49(7.875,1.516) N51(8.575,1.516) P2(-8.575,0.909) P4(-7.875,0.909) P6(-7.175,0.909) P8(-6.475,0.909) P10(-5.775,0.909) P12(-5.075,0.909) P20(-2.275,0.909) P22(-1.575,0.909) P24(-0.875,0.909) P26(-0.175,0.909) P28(0.525,0.909) P30(1.225,0.909) P32(1.925,0.909) P34(2.625,0.909) P36(3.325,0.909) P38(4.025,0.909) P40(4.725,0.909) P42(5.425,0.909) P44(6.125,0.909) P46(6.825,0.909) P48(7.525,0.909) P50(8.225,0.909) P52(8.925,0.909) R1(-8.925,0.303) R3(-8.225,0.303) R5(-7.525,0.303) R7(-6.825,0.303) R9(-6.125,0.303) R11(-5.425,0.303) R13(-4.725,0.303) R15(-4.025,0.303) R17(-3.325,0.303) R19(-2.625,0.303) R21(-1.925,0.303) R23(-1.225,0.303) R25(-0.525,0.303) R27(0.175,0.303) R29(0.875,0.303) R31(1.575,0.303) R33(2.275,0.303) R35(2.975,0.303) R37(3.675,0.303) R39(4.375,0.303) R41(5.075,0.303) R43(5.775,0.303) R45(6.475,0.303) R47(7.175,0.303) R49(7.875,0.303) R51(8.575,0.303) T2(-8.575,-0.303) T4(-7.875,-0.303) T6(-7.175,-0.303) T8(-6.475,-0.303) T10(-5.775,-0.303) T12(-5.075,-0.303) T14(-4.375,-0.303) T16(-3.675,-0.303) T18(-2.975,-0.303) T20(-2.275,-0.303) T22(-1.575,-0.303) T24(-0.875,-0.303) T26(-0.175,-0.303) T28(0.525,-0.303) T36(3.325,-0.303) T38(4.025,-0.303) T40(4.725,-0.303) T42(5.425,-0.303) T44(6.125,-0.303) T46(6.825,-0.303) T48(7.525,-0.303) T50(8.225,-0.303) T52(8.925,-0.303) U1(-8.925,-0.909) U3(-8.225,-0.909) U5(-7.525,-0.909) U7(-6.825,-0.909) U9(-6.125,-0.909) U11(-5.425,-0.909) U19(-2.625,-0.909) U21(-1.925,-0.909) U23(-1.225,-0.909) U25(-0.525,-0.909) U27(0.175,-0.909) U29(0.875,-0.909) U37(3.675,-0.909) U39(4.375,-0.909) U41(5.075,-0.909) U43(5.775,-0.909) U45(6.475,-0.909) U47(7.175,-0.909) U49(7.875,-0.909) U51(8.575,-0.909) V2(-8.575,-1.516) V4(-7.875,-1.516) V6(-7.175,-1.516) V8(-6.475,-1.516) V10(-5.775,-1.516) V12(-5.075,-1.516) V20(-2.275,-1.516) V22(-1.575,-1.516) V24(-0.875,-1.516) V26(-0.175,-1.516) V28(0.525,-1.516) V30(1.225,-1.516) V32(1.925,-1.516) V34(2.625,-1.516) V36(3.325,-1.516) V38(4.025,-1.516) V40(4.725,-1.516) V42(5.425,-1.516) V44(6.125,-1.516) V46(6.825,-1.516) V48(7.525,-1.516) V50(8.225,-1.516) V52(8.925,-1.516) W1(-8.925,-2.122) W3(-8.225,-2.122) W5(-7.525,-2.122) W7(-6.825,-2.122) W9(-6.125,-2.122) W11(-5.425,-2.122) W13(-4.725,-2.122) W15(-4.025,-2.122) W17(-3.325,-2.122) W19(-2.625,-2.122) W21(-1.925,-2.122) W29(0.875,-2.122) W31(1.575,-2.122) W33(2.275,-2.122) W35(2.975,-2.122) W37(3.675,-2.122) W39(4.375,-2.122) W41(5.075,-2.122) W43(5.775,-2.122) W45(6.475,-2.122) W47(7.175,-2.122) W49(7.875,-2.122) W51(8.575,-2.122) Y2(-8.575,-2.728) Y4(-7.875,-2.728) Y6(-7.175,-2.728) Y8(-6.475,-2.728) Y10(-5.775,-2.728) Y12(-5.075,-2.728) Y14(-4.375,-2.728) Y16(-3.675,-2.728) Y18(-2.975,-2.728) Y20(-2.275,-2.728) Y22(-1.575,-2.728) Y30(1.225,-2.728) Y32(1.925,-2.728) Y34(2.625,-2.728) Y36(3.325,-2.728) Y38(4.025,-2.728) Y40(4.725,-2.728) Y42(5.425,-2.728) Y44(6.125,-2.728) Y46(6.825,-2.728) Y48(7.525,-2.728) Y50(8.225,-2.728) Y52(8.925,-2.728)
